# Altium PCB mantarray_beta_drv425_Mounting_Holes.PcbDoc (part 4 of 5)
Units mm, origin at the board's own origin, x right, y up, seen from the top; angles counter-clockwise.
Board outline 158.05 x 258 mm, 8 copper layers (Top Layer, GND1, Signal 1, GND2, DVDD, PWR, AVDD, GND3), stack 1.61 mm thick; 318 components, 274 nets, 1474 pads, 756 vias.
Unrouted connection lines stored in the file: 18.
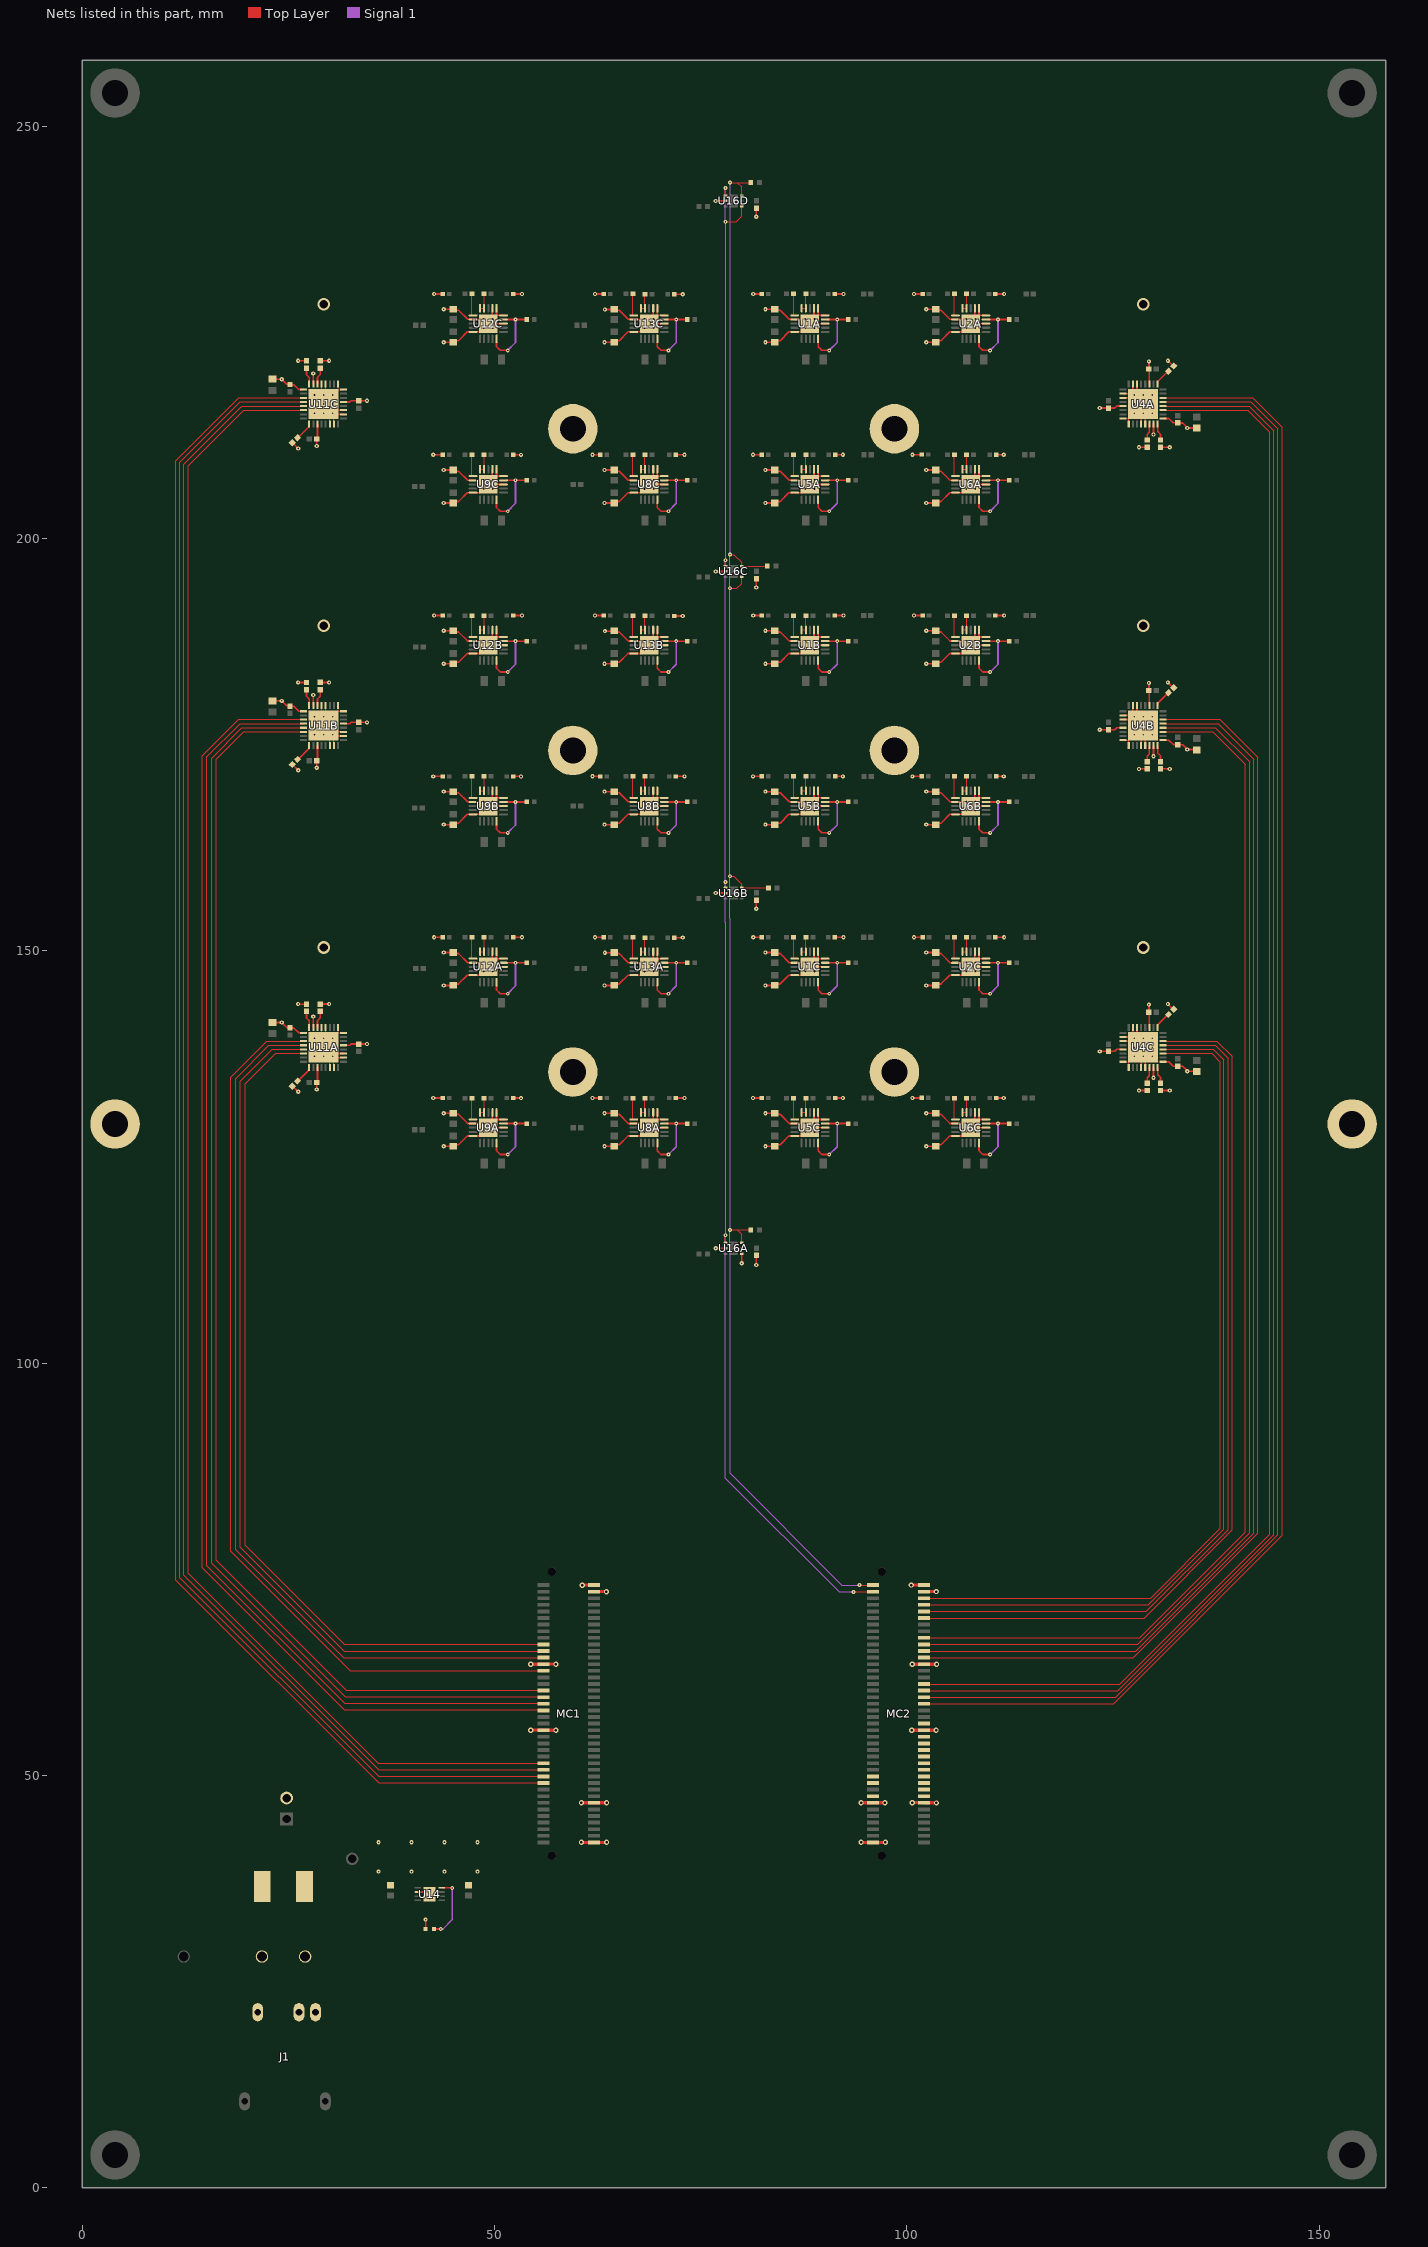
[diagram p10: the nets of this part, all layers, seen from the top]

## Via types
v1: diameter 0.508, hole 0.203, Top Layer to GND3, 292 vias
v2: diameter 0.457, hole 0.152, Top Layer to GND3, 266 vias
v3: diameter 0.5, hole 0.2, Top Layer to GND3, 106 vias
v4: diameter 0.55, hole 0.2, Top Layer to GND3, 54 vias
v5: diameter 0.635, hole 0.305, Top Layer to GND3, 30 vias
v6: diameter 1.524, hole 1.016, Top Layer to GND3, 6 vias
v7: diameter 1.8, hole 1.2, Top Layer to GND3, 2 vias

## Nets (pads, with @x,y where several pads share a name; then routed paths per layer and width w, separated by ;. In a path a pad name is that pad's centre, name@x,y a point inside that pad or via, vN(x,y) a via of type N, cw(c..) or ccw(c..) an arc to the next point about the centre after c; other vN are vias at no path point) (continued)
GND: C1A.1 C1B.1 C1C.1 C2A.1 C2B.1 C2C.1 C5A.1 C5B.1 C5C.1 C6A.1 C6B.1 C6C.1 C7A.1 C7B.1 C7C.1 C8A.1 C8B.1 C8C.1 C9A.1 C9B.1 C9C.1 C10A.1 C10B.1 C10C.1 C16A.1 C16B.1 C16C.1 C17A.1 C17B.1 C17C.1 C18A.1 C18B.1 C18C.1 C19A.1 C19B.1 C19C.1 C20A.1 C20B.1 C20C.1 C21A.1 C21B.1 C21C.1 C22A.1 C22B.1 C22C.1 C23A.1 C23B.1 C23C.1 C24A.1 C24B.1 C24C.1 C25A.1 C25B.1 C25C.1 C26A.1 C26B.1 C26C.1 C29A.1 C29B.1 C29C.1 C30A.1 C30B.1 C30C.1 C31A.1 C31B.1 C31C.1 C32A.1 C32B.1 C32C.1 C39A.1 C39B.1 C39C.1 C40A.1 C40B.1 C40C.1 C43A.1 C43B.1 C43C.1 C44A.1 C44B.1 C44C.1 C45A.1 C45B.1 C45C.1 C46A.1 C46B.1 C46C.1 C47A.1 C47B.1 C47C.1 C48A.1 C48B.1 C48C.1 C54A.1 C54B.1 C54C.1 C55A.1 C55B.1 C55C.1 C56A.1 C56B.1 C56C.1 C57A.1 C57B.1 C57C.1 C58A.1 C58B.1 C58C.1 C59A.1 C59B.1 C59C.1 C60A.1 C60B.1 C60C.1 C61A.1 C61B.1 C61C.1 C62A.1 C62B.1 C62C.1 C65A.1 C65B.1 C65C.1 C66A.1 C66B.1 C66C.1 C67A.1 C67B.1 C67C.1 C68A.1 C68B.1 C68C.1 C69A.1 C69B.1 C69C.1 C70A.1 C70B.1 C70C.1 C71.1 C72.1 C73.2 C77A.1 C77B.1 C77C.1 C77D.1 J1.2 J1.3 MC1.2 MC1.14 MC1.35 MC1.55 MC1.78 MC1.80 MC2.1 MC2.13 MC2.14 MC2.36 MC2.56 MC2.78 MC2.80 P1.2 pad.0@4,129 pad.0@59.5,135.3 pad.0@59.5,174.3 pad.0@59.5,213.3 pad.0@98.5,135.3 pad.0@98.5,174.3 pad.0@98.5,213.3 pad.0@154,129 QC2.1 TP3.1 U1A.1 U1A.2 U1A.7 U1A.10 U1A.18 U1A.20 U1A.21 U1B.1 U1B.2 U1B.7 U1B.10 U1B.18 U1B.20 U1B.21 U1C.1 U1C.2 U1C.7 U1C.10 U1C.18 U1C.20 U1C.21 U2A.1 U2A.2 U2A.7 U2A.10 U2A.18 U2A.20 U2A.21 U2B.1 U2B.2 U2B.7 U2B.10 U2B.18 U2B.20 U2B.21 U2C.1 U2C.2 U2C.7 U2C.10 U2C.18 U2C.20 U2C.21 U4A.3 U4A.6 U4A.7 U4A.10 U4A.11 U4A.13 U4A.16 U4A.17 U4A.20 U4A.21 U4A.23 U4A.25 U4A.33 U4B.3 U4B.6 U4B.7 U4B.10 U4B.11 U4B.13 U4B.16 U4B.17 U4B.20 U4B.21 U4B.23 U4B.25 U4B.33 U4C.3 U4C.6 U4C.7 U4C.10 U4C.11 U4C.13 U4C.16 U4C.17 U4C.20 U4C.21 U4C.23 U4C.25 U4C.33 U5A.1 U5A.2 U5A.7 U5A.10 U5A.18 U5A.20 U5A.21 U5B.1 U5B.2 U5B.7 U5B.10 U5B.18 U5B.20 U5B.21 U5C.1 U5C.2 U5C.7 U5C.10 U5C.18 U5C.20 U5C.21 U6A.1 U6A.2 U6A.7 U6A.10 U6A.18 U6A.20 U6A.21 U6B.1 U6B.2 U6B.7 U6B.10 U6B.18 U6B.20 U6B.21 U6C.1 U6C.2 U6C.7 U6C.10 U6C.18 U6C.20 U6C.21 U8A.1 U8A.2 U8A.7 U8A.10 U8A.18 U8A.20 U8A.21 U8B.1 U8B.2 U8B.7 U8B.10 U8B.18 U8B.20 U8B.21 U8C.1 U8C.2 U8C.7 U8C.10 U8C.18 U8C.20 U8C.21 U9A.1 U9A.2 U9A.7 U9A.10 U9A.18 U9A.20 U9A.21 U9B.1 U9B.2 U9B.7 U9B.10 U9B.18 U9B.20 U9B.21 U9C.1 U9C.2 U9C.7 U9C.10 U9C.18 U9C.20 U9C.21 U11A.3 U11A.6 U11A.7 U11A.10 U11A.11 U11A.13 U11A.16 U11A.17 U11A.20 U11A.21 U11A.23 U11A.25 U11A.33 U11B.3 U11B.6 U11B.7 U11B.10 U11B.11 U11B.13 U11B.16 U11B.17 U11B.20 U11B.21 U11B.23 U11B.25 U11B.33 U11C.3 U11C.6 U11C.7 U11C.10 U11C.11 U11C.13 U11C.16 U11C.17 U11C.20 U11C.21 U11C.23 U11C.25 U11C.33 U12A.1 U12A.2 U12A.7 U12A.10 U12A.18 U12A.20 U12A.21 U12B.1 U12B.2 U12B.7 U12B.10 U12B.18 U12B.20 U12B.21 U12C.1 U12C.2 U12C.7 U12C.10 U12C.18 U12C.20 U12C.21 U13A.1 U13A.2 U13A.7 U13A.10 U13A.18 U13A.20 U13A.21 U13B.1 U13B.2 U13B.7 U13B.10 U13B.18 U13B.20 U13B.21 U13C.1 U13C.2 U13C.7 U13C.10 U13C.18 U13C.20 U13C.21 U14.2 U14.9 U16A.2 U16A.4 U16B.2 U16C.2 U16D.2 | length 727
  Top Layer w0.127: v1@28.037,141.994 v1@28.059,142.016 ; v1@28.037,180.994 v1@28.059,181.016 ; v1@28.037,219.994 v1@28.059,220.016 ; U11A.33@29.037,139.4 U11A.21@29.037,140.725 ; U11B.33@29.037,178.4 U11B.21@29.037,179.725 ; U11C.33@29.037,217.4 U11C.21@29.037,218.725 ; v4(29.287,138.3) U11A.33@29.537,138.55 ; v4(29.287,177.3) U11B.33@29.537,177.55 ; v4(29.287,216.3) U11C.33@29.537,216.55 ; U11A.20@29.537,140.725 U11A.33@29.537,138.55 ; U11B.20@29.537,179.725 U11B.33@29.537,177.55 ; U11C.20@29.537,218.725 U11C.33@29.537,216.55 ; U11A.6@30.037,135.875 U11A.33@30.037,137.55 ; U11B.6@30.037,174.875 U11B.33@30.037,176.55 ; U11C.6@30.037,213.875 U11C.33@30.037,215.55 ; U11A.7@30.537,135.875 U11A.33@30.537,137.05 ; U11B.7@30.537,174.875 U11B.33@30.537,176.05 ; U11C.7@30.537,213.875 U11C.33@30.537,215.05 ; U11A.17@31.037,140.725 U11A.33@31.037,140.05 ; U11B.17@31.037,179.725 U11B.33@31.037,179.05 ; U11C.17@31.037,218.725 U11C.33@31.037,218.05 ; U11A.16@31.712,140.05 U11A.33@31.037,140.05 ; U11B.16@31.712,179.05 U11B.33@31.037,179.05 ; U11C.16@31.712,218.05 U11C.33@31.037,218.05 ; U4C.16@126.235,136.55 U4C.33@126.91,136.55 ; U4B.16@126.235,175.55 U4B.33@126.91,175.55 ; U4A.16@126.235,214.55 U4A.33@126.91,214.55 ; U4C.17@126.91,135.875 U4C.33@126.91,136.55 ; U4B.17@126.91,174.875 U4B.33@126.91,175.55 ; U4A.17@126.91,213.875 U4A.33@126.91,214.55 ; U4C.33@128.41,138.05 v4(127.56,137.2) U4C.33@126.91,136.55 ; U4B.33@128.41,177.05 v4(127.56,176.2) U4B.33@126.91,175.55 ; U4A.33@128.41,216.05 v4(127.56,215.2) U4A.33@126.91,214.55 ; U11A.33@29.537,138.55 v4(30.387,139.4) U11A.33@31.037,140.05 ; U11B.33@29.537,177.55 v4(30.387,178.4) U11B.33@31.037,179.05 ; U11C.33@29.537,216.55 v4(30.387,217.4) U11C.33@31.037,218.05
  Top Layer w0.152: C73.2@41.65,31.4 41.65,32.523 v1(41.653,32.525) ; v1(79.974,112.12) v1(79.974,112.12) U16A.4@79.975,113.275
  Top Layer w0.203: C70A.1@23.069,141.311 24.204,141.311 v1(24.208,141.307) 24.208,141.292 24.8,140.7 25.197,140.7 C65A.1@25.228,140.669 25.247,140.65 25.65,140.65 26.25,140.05 U11A.25@26.862,140.05 ; C70B.1@23.069,180.311 24.204,180.311 v1(24.208,180.307) 24.208,180.292 24.8,179.7 25.197,179.7 C65B.1@25.228,179.669 25.247,179.65 25.65,179.65 26.25,179.05 U11B.25@26.862,179.05 ; C70C.1@23.069,219.311 24.204,219.311 v1(24.208,219.307) 24.208,219.292 24.8,218.7 25.197,218.7 C65C.1@25.228,218.669 25.247,218.65 25.65,218.65 26.25,218.05 U11C.25@26.862,218.05 ; C54A.1@25.489,133.589 25.511,133.589 v1(26.2,132.9) ; C54B.1@25.489,172.589 25.511,172.589 v1(26.2,171.9) ; C54C.1@25.489,211.589 25.511,211.589 v1(26.2,210.9) ; v1@26.208,143.53 C55A.1@27.202,143.53 ; v1@26.208,182.53 C55B.1@27.202,182.53 ; v1@26.208,221.53 C55C.1@27.202,221.53 ; C55A.1@27.3,143.53 27.31,143.54 C55A.1@27.3,143.54 ; C55B.1@27.3,182.53 27.31,182.54 C55B.1@27.3,182.54 ; C55C.1@27.3,221.53 27.31,221.54 C55C.1@27.3,221.54 ; U11A.33@27.56,140.027 U11A.33@28.037,139.55 ; U11B.33@27.56,179.027 U11B.33@28.037,178.55 ; U11C.33@27.56,218.027 U11C.33@28.037,217.55 ; U11A.23@28.037,140.725 v1@28.037,141.994 ; U11B.23@28.037,179.725 v1@28.037,180.994 ; U11C.23@28.037,218.725 v1@28.037,219.994 ; v1(28.45,133.2) 28.45,134.04 C66A.1@28.44,134.05 28.55,134.16 28.55,135.862 U11A.3@28.537,135.875 ; v1(28.45,172.2) 28.45,173.04 C66B.1@28.44,173.05 28.55,173.16 28.55,174.862 U11B.3@28.537,174.875 ; v1(28.45,211.2) 28.45,212.04 C66C.1@28.44,212.05 28.55,212.16 28.55,213.862 U11C.3@28.537,213.875 ; C58A.1@28.872,143.54 v1(29.95,143.54) ; C58B.1@28.872,182.54 v1(29.95,182.54) ; C58C.1@28.872,221.54 v1(29.95,221.54) ; v4(29.287,138.3) U11A.33@30.037,137.55 ; v4(29.287,177.3) U11B.33@30.037,176.55 ; v4(29.287,216.3) U11C.33@30.037,215.55 ; U11A.10@31.712,137.05 30.537,137.05 U11A.33@30.037,137.55 ; U11A.11@31.712,137.55 U11A.33@30.037,137.55 ; U11A.13@31.712,138.55 32.462,138.55 32.612,138.7 C69A.1@33.56,138.7 ; U11B.10@31.712,176.05 30.537,176.05 U11B.33@30.037,176.55 ; U11B.11@31.712,176.55 U11B.33@30.037,176.55 ; U11B.13@31.712,177.55 32.462,177.55 32.612,177.7 C69B.1@33.56,177.7 ; U11C.10@31.712,215.05 30.537,215.05 U11C.33@30.037,215.55 ; U11C.11@31.712,215.55 U11C.33@30.037,215.55 ; U11C.13@31.712,216.55 32.462,216.55 32.612,216.7 C69C.1@33.56,216.7 ; C69A.1@33.55,138.69 C69A.1@33.56,138.7 ; C69B.1@33.55,177.69 C69B.1@33.56,177.7 ; C69C.1@33.55,216.69 C69C.1@33.56,216.7 ; v1(34.55,138.7) C69A.1@33.56,138.7 ; v1(34.55,177.7) C69B.1@33.56,177.7 ; v1(34.55,216.7) C69C.1@33.56,216.7 ; U14.2@40.6,35.875 41.9,35.875 U14.9@42.15,35.625 ; v1@42.588,132.143 v1@42.594,132.149 ; v1@42.588,171.143 v1@42.594,171.149 ; v1@42.588,210.143 v1@42.594,210.149 ; v1@42.594,132.146 C44A.1@43.745,132.146 ; v1@42.594,171.146 C44B.1@43.745,171.146 ; v1@42.594,210.146 C44C.1@43.745,210.146 ; v1(42.685,151.65) C67A.1@43.745,151.65 ; v1(42.685,190.65) C67B.1@43.745,190.65 ; v1(42.685,229.65) C67C.1@43.745,229.65 ; v1(43.85,126.3) C57A.1@45,126.3 45.186,126.486 45.636,126.486 46.7,127.55 48.25,127.55 U9A.21@49.25,128.55 ; v1(43.85,130.3) C56A.1@45,130.3 ; v1(43.85,145.8) C48A.1@45,145.8 45.186,145.986 45.636,145.986 46.7,147.05 48.25,147.05 U12A.21@49.25,148.05 ; v1(43.85,149.8) C47A.1@45,149.8 45.136,149.664 45.636,149.664 46.741,148.559 47.266,148.559 47.275,148.55 48.75,148.55 U12A.21@49.25,148.05 ; v1(43.85,165.3) C57B.1@45,165.3 45.186,165.486 45.636,165.486 46.7,166.55 48.25,166.55 U9B.21@49.25,167.55 ; v1(43.85,169.3) C56B.1@45,169.3 ; v1(43.85,184.8) C48B.1@45,184.8 45.186,184.986 45.636,184.986 46.7,186.05 48.25,186.05 U12B.21@49.25,187.05 ; v1(43.85,188.8) C47B.1@45,188.8 45.136,188.664 45.636,188.664 46.741,187.559 47.266,187.559 47.275,187.55 48.75,187.55 U12B.21@49.25,187.05 ; v1(43.85,204.3) C57C.1@45,204.3 45.186,204.486 45.636,204.486 46.7,205.55 48.25,205.55 U9C.21@49.25,206.55 ; v1(43.85,208.3) C56C.1@45,208.3 ; v1(43.85,223.8) C48C.1@45,223.8 45.186,223.986 45.636,223.986 46.7,225.05 48.25,225.05 U12C.21@49.25,226.05 ; v1(43.85,227.8) C47C.1@45,227.8 45.136,227.664 45.636,227.664 46.741,226.559 47.266,226.559 47.275,226.55 48.75,226.55 U12C.21@49.25,226.05 ; C56A.1@45.136,130.164 45.636,130.164 46.741,129.059 U9A.7@47.266,129.059 ; C56B.1@45.136,169.164 45.636,169.164 46.741,168.059 U9B.7@47.266,168.059 ; C56C.1@45.136,208.164 45.636,208.164 46.741,207.059 U9C.7@47.266,207.059 ; U9A.7@47.275,129.05 48.75,129.05 U9A.21@49.25,128.55 ; U9B.7@47.275,168.05 48.75,168.05 U9B.21@49.25,167.55 ; U9C.7@47.275,207.05 48.75,207.05 U9C.21@49.25,206.55 ; U9A.2@49.75,130.4 U9A.21@49.75,128.55 ; U12A.2@49.75,150.025 49.75,148.55 U12A.21@49.25,148.05 ; U9B.2@49.75,169.4 U9B.21@49.75,167.55 ; U12B.2@49.75,189.025 49.75,187.55 U12B.21@49.25,187.05 ; U9C.2@49.75,208.4 U9C.21@49.75,206.55 ; U12C.2@49.75,228.025 49.75,226.55 U12C.21@49.25,226.05 ; U9A.1@50.25,130.525 50.25,129.55 U9A.20@51.225,129.55 ; U12A.1@50.25,150.025 50.25,149.05 U12A.20@51.225,149.05 ; U9B.1@50.25,169.525 50.25,168.55 U9B.20@51.225,168.55 ; U12B.1@50.25,189.025 50.25,188.05 U12B.20@51.225,188.05 ; U9C.1@50.25,208.525 50.25,207.55 U9C.20@51.225,207.55 ; U12C.1@50.25,228.025 50.25,227.05 U12C.20@51.225,227.05 ; U9A.18@51.5,128.55 U9A.18@51.1,128.55 U9A.21@49.75,128.55 ; U12A.18@51.5,148.05 U12A.21@49.25,148.05 ; U9B.18@51.5,167.55 U9B.18@51.1,167.55 U9B.21@49.75,167.55 ; U12B.18@51.5,187.05 U12B.21@49.25,187.05 ; U9C.18@51.5,206.55 U9C.18@51.1,206.55 U9C.21@49.75,206.55 ; U12C.18@51.5,226.05 U12C.21@49.25,226.05 ; C40A.1@52.28,132.146 v1@53.204,132.146 ; C61A.1@52.28,151.65 v1(53.34,151.65) ; C40B.1@52.28,171.146 v1@53.204,171.146 ; C61B.1@52.28,190.65 v1(53.34,190.65) ; C40C.1@52.28,210.146 v1@53.204,210.146 ; C61C.1@52.28,229.65 v1(53.34,229.65) ; MC1.35@55.918,55.504 MC1.35@55.924,55.498 ; v1(61.895,132.157) 61.906,132.146 C43A.1@62.83,132.146 ; v1(61.895,171.157) 61.906,171.146 C43B.1@62.83,171.146 ; v1(61.895,210.157) 61.906,210.146 C43C.1@62.83,210.146 ; MC1.2@62.084,41.9 MC1.2@62.088,41.904 ; MC1.14@62.084,46.7 MC1.14@62.088,46.704 ; v1@62.207,151.65 C68A.1@63.245,151.65 ; v1@62.207,190.65 C68B.1@63.245,190.65 ; v1@62.207,229.65 C68C.1@63.245,229.65 ; v1(63.35,126.3) C60A.1@64.5,126.3 64.686,126.486 65.136,126.486 66.2,127.55 67.75,127.55 v3(68.2,128) U8A.21@68.75,128.55 ; v1(63.35,130.3) C59A.1@64.5,130.3 64.636,130.164 65.136,130.164 66.241,129.059 66.766,129.059 66.775,129.05 68.25,129.05 U8A.21@68.75,128.55 ; v1(63.35,145.8) C46A.1@64.5,145.8 64.686,145.986 65.136,145.986 66.2,147.05 U13A.10@66.9,147.05 67.75,147.05 v3(68.2,147.5) U13A.21@68.75,148.05 ; v1(63.35,165.3) C60B.1@64.5,165.3 64.686,165.486 65.136,165.486 66.2,166.55 67.75,166.55 v3(68.2,167) U8B.21@68.75,167.55 ; v1(63.35,169.3) C59B.1@64.5,169.3 64.636,169.164 65.136,169.164 66.241,168.059 66.766,168.059 66.775,168.05 68.25,168.05 U8B.21@68.75,167.55 ; v1(63.35,184.8) C46B.1@64.5,184.8 64.686,184.986 65.136,184.986 66.2,186.05 U13B.10@66.9,186.05 67.75,186.05 v3(68.2,186.5) U13B.21@68.75,187.05 ; v1(63.35,204.3) C60C.1@64.5,204.3 64.686,204.486 65.136,204.486 66.2,205.55 67.75,205.55 v3(68.2,206) U8C.21@68.75,206.55 ; v1(63.35,208.3) C59C.1@64.5,208.3 64.636,208.164 65.136,208.164 66.241,207.059 66.766,207.059 66.775,207.05 68.25,207.05 U8C.21@68.75,206.55 ; v1(63.35,223.8) C46C.1@64.5,223.8 64.686,223.986 65.136,223.986 66.2,225.05 U13C.10@66.9,225.05 67.75,225.05 v3(68.2,225.5) U13C.21@68.75,226.05 ; v1(63.389,149.761) 64.461,149.761 C45A.1@64.5,149.8 64.636,149.664 65.136,149.664 66.241,148.559 66.766,148.559 66.775,148.55 68.25,148.55 U13A.21@68.75,148.05 ; v1(63.389,188.761) 64.461,188.761 C45B.1@64.5,188.8 64.636,188.664 65.136,188.664 66.241,187.559 66.766,187.559 66.775,187.55 68.25,187.55 U13B.21@68.75,187.05 ; v1(63.389,227.761) 64.461,227.761 C45C.1@64.5,227.8 64.636,227.664 65.136,227.664 66.241,226.559 66.766,226.559 66.775,226.55 68.25,226.55 U13C.21@68.75,226.05 ; U8A.2@69.25,130.4 69.25,129.05 U8A.21@68.75,128.55 ; U13A.2@69.25,150.025 69.25,148.55 U13A.21@68.75,148.05 ; U8B.2@69.25,169.4 69.25,168.05 U8B.21@68.75,167.55 ; U13B.2@69.25,189.025 69.25,187.55 U13B.21@68.75,187.05 ; U8C.2@69.25,208.4 69.25,207.05 U8C.21@68.75,206.55 ; U13C.2@69.25,228.025 69.25,226.55 U13C.21@68.75,226.05 ; U8A.1@69.75,130.525 69.75,129.55 U8A.20@70.725,129.55 ; U13A.1@69.75,150.025 69.75,149.05 U13A.20@70.725,149.05 ; U8B.1@69.75,169.525 69.75,168.55 U8B.20@70.725,168.55 ; U13B.1@69.75,189.025 69.75,188.05 U13B.20@70.725,188.05 ; U8C.1@69.75,208.525 69.75,207.55 U8C.20@70.725,207.55 ; U13C.1@69.75,228.025 69.75,227.05 U13C.20@70.725,227.05 ; U8A.18@71,128.55 U8A.18@70.6,128.55 U8A.21@68.75,128.55 ; U13A.18@71,148.05 U13A.21@68.75,148.05 ; U8B.18@71,167.55 U8B.18@70.6,167.55 U8B.21@68.75,167.55 ; U13B.18@71,187.05 U13B.21@68.75,187.05 ; U8C.18@71,206.55 U8C.18@70.6,206.55 U8C.21@68.75,206.55 ; U13C.18@71,226.05 U13C.21@68.75,226.05 ; C62A.1@71.78,151.6 v1(72.84,151.6) ; C62B.1@71.78,190.6 v1(72.84,190.6) ; C62C.1@71.78,229.6 v1(72.84,229.6) ; C39A.1@71.99,132.146 v1(73.05,132.146) ; C39B.1@71.99,171.146 v1(73.05,171.146) ; C39C.1@71.99,210.146 v1(73.05,210.146) ; v1(76.825,113.925) U16A.2@78.025,113.925 ; v1(76.825,157) U16B.2@78.025,157 ; v1(76.825,196) U16C.2@78.025,196 ; v1(76.825,240.925) U16D.2@78.025,240.925 ; v1(81.351,132.148) 81.353,132.15 C29C.1@82.42,132.15 ; v1(81.351,171.148) 81.353,171.15 C29B.1@82.42,171.15 ; v1(81.351,210.148) 81.353,210.15 C29A.1@82.42,210.15 ; v1@81.369,151.644 v1@81.382,151.656 ; v1@81.382,151.65 C5C.1@82.42,151.65 ; v1@81.382,190.65 C5B.1@82.42,190.65 ; v1@81.382,229.65 C5A.1@82.42,229.65 ; v1(81.75,111.9) C77A.1@81.75,113.06 ; v1(81.75,155.1) C77B.1@81.75,156.135 ; v1(81.75,194.05) C77C.1@81.75,195.135 ; v1(81.75,239) C77D.1@81.75,240.06 ; v1(82.85,126.3) C19C.1@84,126.3 84.186,126.486 84.636,126.486 85.7,127.55 87.25,127.55 v3(87.7,128) U5C.21@88.25,128.55 ; v1(82.85,130.3) C18C.1@84,130.3 84.136,130.164 84.636,130.164 85.741,129.059 86.266,129.059 86.275,129.05 87.75,129.05 U5C.21@88.25,128.55 ; v1(82.85,145.8) C10C.1@84,145.8 84.186,145.986 84.636,145.986 85.7,147.05 U1C.10@85.99,147.05 ; v1(82.85,149.8) C9C.1@84,149.8 84.136,149.664 84.636,149.664 85.741,148.559 86.266,148.559 86.275,148.55 87.75,148.55 U1C.21@88.25,148.05 ; v1(82.85,165.3) C19B.1@84,165.3 84.186,165.486 84.636,165.486 85.7,166.55 87.25,166.55 v3(87.7,167) U5B.21@88.25,167.55 ; v1(82.85,169.3) C18B.1@84,169.3 84.136,169.164 84.636,169.164 85.741,168.059 86.266,168.059 86.275,168.05 87.75,168.05 U5B.21@88.25,167.55 ; v1(82.85,184.8) C10B.1@84,184.8 84.186,184.986 84.636,184.986 85.7,186.05 U1B.10@85.99,186.05 ; v1(82.85,188.8) C9B.1@84,188.8 84.136,188.664 84.636,188.664 85.741,187.559 86.266,187.559 86.275,187.55 87.75,187.55 U1B.21@88.25,187.05 ; v1(82.85,204.3) C19A.1@84,204.3 84.186,204.486 84.636,204.486 85.7,205.55 87.25,205.55 v3(87.7,206) U5A.21@88.25,206.55 ; v1(82.85,208.3) C18A.1@84,208.3 84.136,208.164 84.636,208.164 85.741,207.059 86.266,207.059 86.275,207.05 87.75,207.05 U5A.21@88.25,206.55 ; v1(82.85,223.8) C10A.1@84,223.8 84.186,223.986 84.636,223.986 85.7,225.05 U1A.10@85.99,225.05 ; v1(82.85,227.8) C9A.1@84,227.8 84.136,227.664 84.636,227.664 85.741,226.559 86.266,226.559 86.275,226.55 87.75,226.55 U1A.21@88.25,226.05 ; U1C.10@86.2,147.05 87.25,147.05 v3(87.7,147.5) U1C.21@88.25,148.05 ; U1B.10@86.2,186.05 87.25,186.05 v3(87.7,186.5) U1B.21@88.25,187.05 ; U1A.10@86.2,225.05 87.25,225.05 v3(87.7,225.5) U1A.21@88.25,226.05 ; U5C.2@88.75,130.4 88.75,129.05 U5C.21@88.25,128.55 ; U1C.2@88.75,149.9 88.75,148.55 U1C.21@88.25,148.05 ; U5B.2@88.75,169.4 88.75,168.05 U5B.21@88.25,167.55 ; U1B.2@88.75,188.9 88.75,187.55 U1B.21@88.25,187.05 ; U5A.2@88.75,208.4 88.75,207.05 U5A.21@88.25,206.55 ; U1A.2@88.75,227.9 88.75,226.55 U1A.21@88.25,226.05 ; U5C.1@89.25,130.525 89.25,129.55 U5C.20@90.225,129.55 ; U1C.1@89.25,150.025 89.25,149.05 U1C.20@90.225,149.05 ; U5B.1@89.25,169.525 89.25,168.55 U5B.20@90.225,168.55 ; U1B.1@89.25,189.025 89.25,188.05 U1B.20@90.225,188.05 ; U5A.1@89.25,208.525 89.25,207.55 U5A.20@90.225,207.55 ; U1A.1@89.25,228.025 89.25,227.05 U1A.20@90.225,227.05 ; U5C.18@90.5,128.55 U5C.18@90.1,128.55 U5C.21@88.25,128.55 ; U1C.18@90.5,148.05 U1C.18@90.1,148.05 U1C.21@88.25,148.05 ; U5B.18@90.5,167.55 U5B.18@90.1,167.55 U5B.21@88.25,167.55 ; U1B.18@90.5,187.05 U1B.18@90.1,187.05 U1B.21@88.25,187.05 ; U5A.18@90.5,206.55 U5A.18@90.1,206.55 U5A.21@88.25,206.55 ; U1A.18@90.5,226.05 U1A.18@90.1,226.05 U1A.21@88.25,226.05 ; C1C.1@91.265,151.65 v1(92.325,151.65) ; C1B.1@91.265,190.65 v1(92.325,190.65) ; C1A.1@91.265,229.65 v1(92.325,229.65) ; C23C.1@91.315,132.15 v1(92.244,132.15) ; C23B.1@91.315,171.15 v1(92.244,171.15) ; C23A.1@91.315,210.15 v1(92.244,210.15) ; MC2.1@95.918,41.896 MC2.1@95.919,41.898 ; v1(100.67,132.153) 100.673,132.15 C30C.1@101.83,132.15 ; v1(100.67,171.153) 100.673,171.15 C30B.1@101.83,171.15 ; v1(100.67,210.153) 100.673,210.15 C30A.1@101.83,210.15 ; v1(100.86,151.65) C6C.1@101.92,151.65 ; v1(100.86,190.65) C6B.1@101.92,190.65 ; v1(100.86,229.65) C6A.1@101.92,229.65 ; MC2.36@102.086,55.498 MC2.36@102.088,55.496 ; v1(102.35,126.3) C22C.1@103.5,126.3 103.686,126.486 104.136,126.486 105.2,127.55 106.75,127.55 v3(107.2,128) U6C.21@107.75,128.55 ; v1(102.35,130.3) C21C.1@103.5,130.3 103.636,130.164 104.136,130.164 105.241,129.059 105.766,129.059 105.775,129.05 107.25,129.05 U6C.21@107.75,128.55 ; v1(102.35,145.8) C7C.1@103.5,145.8 103.686,145.986 104.136,145.986 105.2,147.05 106.75,147.05 v3(107.2,147.5) U2C.21@107.75,148.05 ; v1(102.35,149.8) C8C.1@103.5,149.8 103.636,149.664 104.136,149.664 105.241,148.559 105.766,148.559 105.775,148.55 107.25,148.55 U2C.21@107.75,148.05 ; v1(102.35,165.3) C22B.1@103.5,165.3 103.686,165.486 104.136,165.486 105.2,166.55 106.75,166.55 v3(107.2,167) U6B.21@107.75,167.55 ; v1(102.35,169.3) C21B.1@103.5,169.3 103.636,169.164 104.136,169.164 105.241,168.059 105.766,168.059 105.775,168.05 107.25,168.05 U6B.21@107.75,167.55 ; v1(102.35,184.8) C7B.1@103.5,184.8 103.686,184.986 104.136,184.986 105.2,186.05 106.75,186.05 v3(107.2,186.5) U2B.21@107.75,187.05 ; v1(102.35,188.8) C8B.1@103.5,188.8 103.636,188.664 104.136,188.664 105.241,187.559 105.766,187.559 105.775,187.55 107.25,187.55 U2B.21@107.75,187.05 ; v1(102.35,204.3) C22A.1@103.5,204.3 103.686,204.486 104.136,204.486 105.2,205.55 106.75,205.55 v3(107.2,206) U6A.21@107.75,206.55 ; v1(102.35,208.3) C21A.1@103.5,208.3 103.636,208.164 104.136,208.164 105.241,207.059 105.766,207.059 105.775,207.05 107.25,207.05 U6A.21@107.75,206.55 ; v1(102.35,223.8) C7A.1@103.5,223.8 103.686,223.986 104.136,223.986 105.2,225.05 106.75,225.05 v3(107.2,225.5) U2A.21@107.75,226.05 ; v1(102.35,227.8) C8A.1@103.5,227.8 103.636,227.664 104.136,227.664 105.241,226.559 105.766,226.559 105.775,226.55 107.25,226.55 U2A.21@107.75,226.05 ; U6C.2@108.25,130.4 108.25,129.05 U6C.21@107.75,128.55 ; U2C.2@108.25,149.9 108.25,148.55 U2C.21@107.75,148.05 ; U6B.2@108.25,169.4 108.25,168.05 U6B.21@107.75,167.55 ; U2B.2@108.25,188.9 108.25,187.55 U2B.21@107.75,187.05 ; U6A.2@108.25,208.4 108.25,207.05 U6A.21@107.75,206.55 ; U2A.2@108.25,227.9 108.25,226.55 U2A.21@107.75,226.05 ; U6C.1@108.75,130.525 108.75,129.55 U6C.20@109.725,129.55 ; U2C.1@108.75,150.025 108.75,149.05 U2C.20@109.725,149.05 ; U6B.1@108.75,169.525 108.75,168.55 U6B.20@109.725,168.55 ; U2B.1@108.75,189.025 108.75,188.05 U2B.20@109.725,188.05 ; U6A.1@108.75,208.525 108.75,207.55 U6A.20@109.725,207.55 ; U2A.1@108.75,228.025 108.75,227.05 U2A.20@109.725,227.05 ; U6C.18@110,128.55 U6C.18@109.6,128.55 U6C.21@107.75,128.55 ; U2C.18@110,148.05 U2C.18@109.6,148.05 U2C.21@107.75,148.05 ; U6B.18@110,167.55 U6B.18@109.6,167.55 U6B.21@107.75,167.55 ; U2B.18@110,187.05 U2B.18@109.6,187.05 U2B.21@107.75,187.05 ; U6A.18@110,206.55 U6A.18@109.6,206.55 U6A.21@107.75,206.55 ; U2A.18@110,226.05 U2A.18@109.6,226.05 U2A.21@107.75,226.05 ; C2C.1@110.74,151.65 v1(111.8,151.65) ; C2B.1@110.74,190.65 v1(111.8,190.65) ; C2A.1@110.74,229.65 v1(111.8,229.65) ; C24C.1@110.82,132.15 v1(111.749,132.15) ; C24B.1@110.82,171.15 v1(111.749,171.15) ; C24A.1@110.82,210.15 v1(111.749,210.15) ; v1(123.399,137.809) C32C.1@124.433,137.808 125.198,137.808 125.44,138.05 U4C.13@126.235,138.05 ; v1@123.399,176.808 C32B.1@124.433,176.808 125.198,176.808 125.44,177.05 U4B.13@126.235,177.05 ; v1(123.399,215.809) C32A.1@124.433,215.808 125.198,215.808 125.44,216.05 U4A.13@126.235,216.05 ; U4C.11@126.235,139.05 U4C.33@127.91,139.05 ; U4C.10@126.235,139.55 127.41,139.55 U4C.7@127.41,140.725 ; U4B.11@126.235,178.05 U4B.33@127.91,178.05 ; U4B.10@126.235,178.55 127.41,178.55 U4B.7@127.41,179.725 ; U4A.11@126.235,217.05 U4A.33@127.91,217.05 ; U4A.10@126.235,217.55 127.41,217.55 U4A.7@127.41,218.725 ; v4(127.56,139.4) U4C.33@127.91,139.05 ; v4(127.56,178.4) U4B.33@127.91,178.05 ; v4(127.56,217.4) U4A.33@127.91,217.05 ; U4C.6@127.91,140.725 U4C.33@127.91,139.05 ; U4B.6@127.91,179.725 U4B.33@127.91,178.05 ; U4A.6@127.91,218.725 U4A.33@127.91,217.05 ; v1(128.15,133.05) 128.16,133.06 C20C.1@129.15,133.06 ; v1(128.15,172.05) 128.16,172.06 C20B.1@129.15,172.06 ; v1(128.15,211.05) 128.16,211.06 C20A.1@129.15,211.06 ; U4C.20@128.41,135.875 U4C.33@128.41,137.2 ; U4C.33@128.41,138.05 v4(128.66,138.3) ; U4B.20@128.41,174.875 U4B.33@128.41,176.2 ; U4B.33@128.41,177.05 v4(128.66,177.3) ; U4A.20@128.41,213.875 U4A.33@128.41,215.2 ; U4A.33@128.41,216.05 v4(128.66,216.3) ; U4C.21@128.91,135.875 128.91,138.05 v4(128.66,138.3) ; U4B.21@128.91,174.875 128.91,177.05 v4(128.66,177.3) ; U4A.21@128.91,213.875 128.91,216.05 v4(128.66,216.3) ; v1(129.35,143.474) 129.36,143.464 C26C.1@129.36,142.55 129.4,142.51 129.4,140.735 U4C.3@129.41,140.725 ; v1(129.35,182.474) 129.36,182.464 C26B.1@129.36,181.55 129.4,181.51 129.4,179.735 U4B.3@129.41,179.725 ; v1(129.35,221.474) 129.36,221.464 C26A.1@129.36,220.55 129.4,220.51 129.4,218.735 U4A.3@129.41,218.725 ; v4(129.76,137.2) 130.387,136.573 U4C.33@129.91,137.05 ; v4(129.76,176.2) 130.387,175.573 U4B.33@129.91,176.05 ; v4(129.76,215.2) 130.387,214.573 U4A.33@129.91,215.05 ; v1(129.9,134.6) 129.905,134.605 129.905,135.87 U4C.23@129.91,135.875 ; v1(129.9,173.6) 129.905,173.605 129.905,174.87 U4B.23@129.91,174.875 ; v1(129.9,212.6) 129.905,212.605 129.905,213.87 U4A.23@129.91,213.875 ; C17C.1@130.74,133.06 130.745,133.055 C17C.1@130.75,133.06 131.876,133.06 v1(131.881,133.055) ; C17B.1@130.74,172.06 130.745,172.055 C17B.1@130.75,172.06 131.876,172.06 v1(131.881,172.055) ; C17A.1@130.74,211.06 130.745,211.055 C17A.1@130.75,211.06 131.876,211.06 v1(131.881,211.055) ; U4C.25@131.085,136.55 131.75,136.55 132.29,136.01 C25C.1@132.85,136.01 132.86,136 133.45,136 134,135.45 v1(134,135.4) 135.125,135.4 C31C.1@135.15,135.375 ; U4B.25@131.085,175.55 131.75,175.55 132.29,175.01 C25B.1@132.85,175.01 132.86,175 133.45,175 134,174.45 v1(134,174.4) 135.125,174.4 C31B.1@135.15,174.375 ; U4A.25@131.085,214.55 131.75,214.55 132.29,214.01 C25A.1@132.85,214.01 132.86,214 133.45,214 134,213.45 v1(134,213.4) 135.125,213.4 C31A.1@135.15,213.375 ; v1(131.65,143.55) 132.3,142.9 C16C.1@132.35,142.9 C16C.1@132.35,142.85 ; v1(131.65,182.55) 132.3,181.9 C16B.1@132.35,181.9 C16B.1@132.35,181.85 ; v1(131.65,221.55) 132.3,220.9 C16A.1@132.35,220.9 C16A.1@132.35,220.85 ; U9A.21@49.25,128.55 U9A.21@49.75,128.55 ; U9B.21@49.25,167.55 U9B.21@49.75,167.55 ; U9C.21@49.25,206.55 U9C.21@49.75,206.55 ; U4C.33@127.91,139.05 v4(128.66,138.3) ; U4B.33@127.91,178.05 v4(128.66,177.3) ; U4A.33@127.91,217.05 v4(128.66,216.3)